# KiCad board Asfoora.kicad_pcb
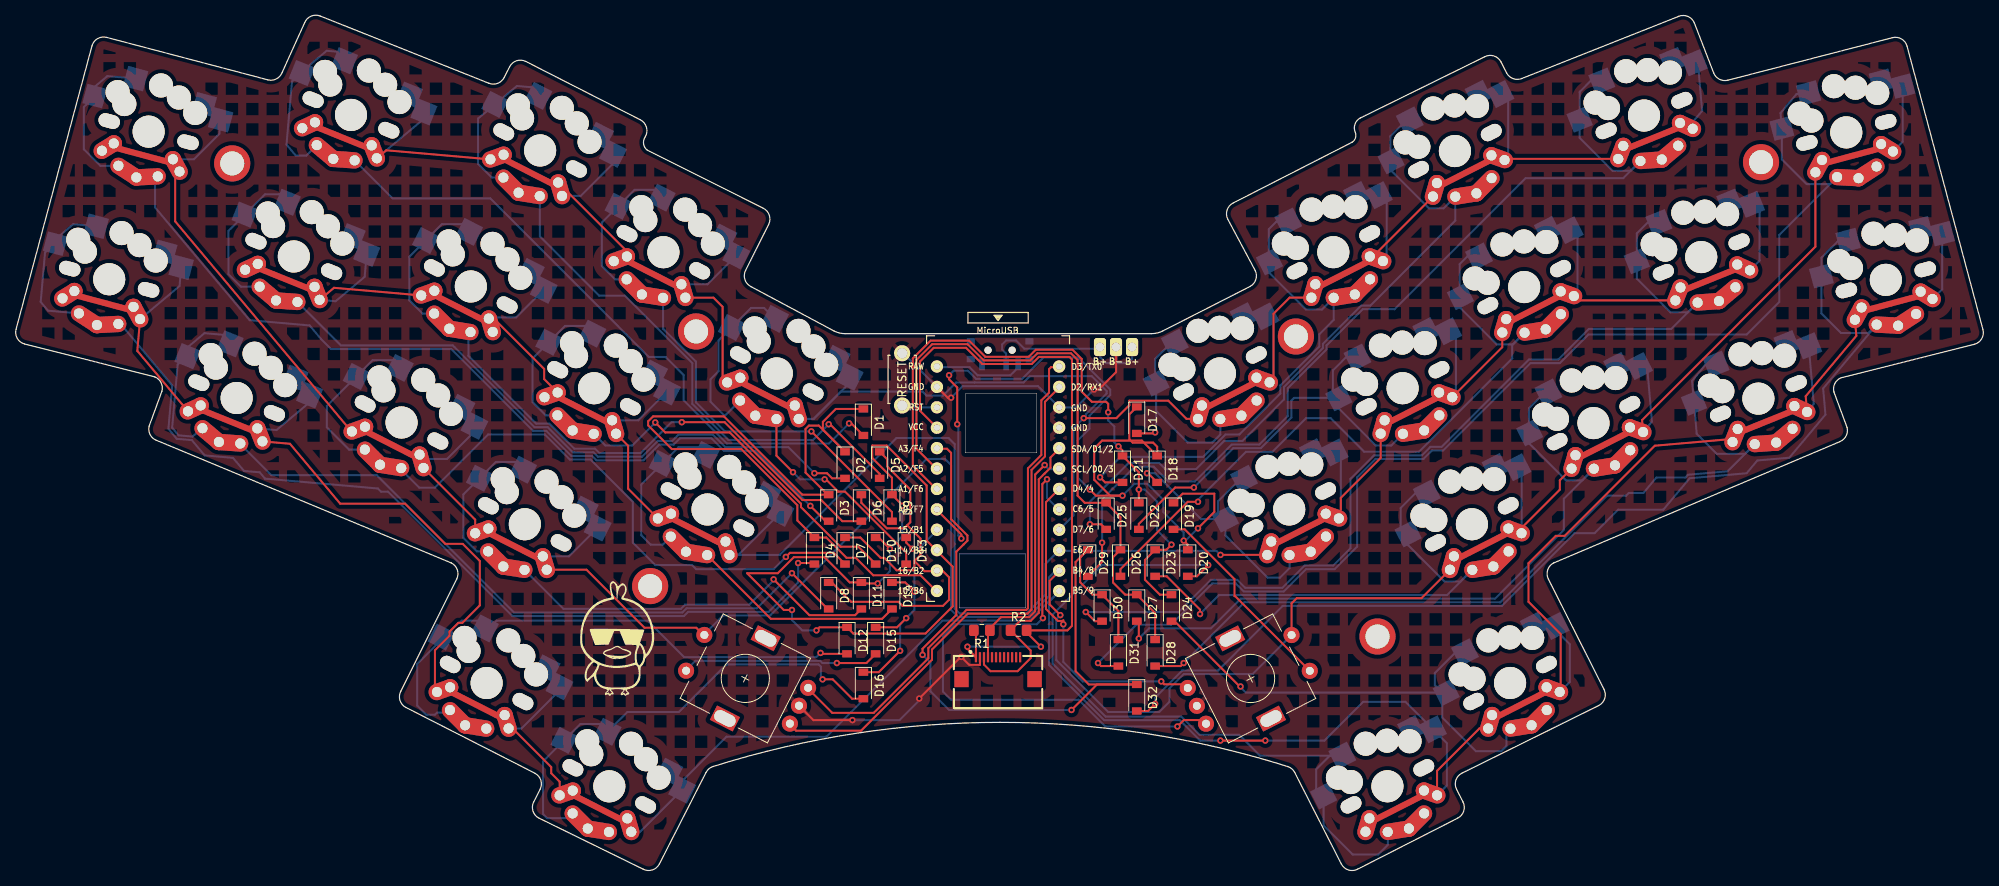
[diagram p0: board, top side]
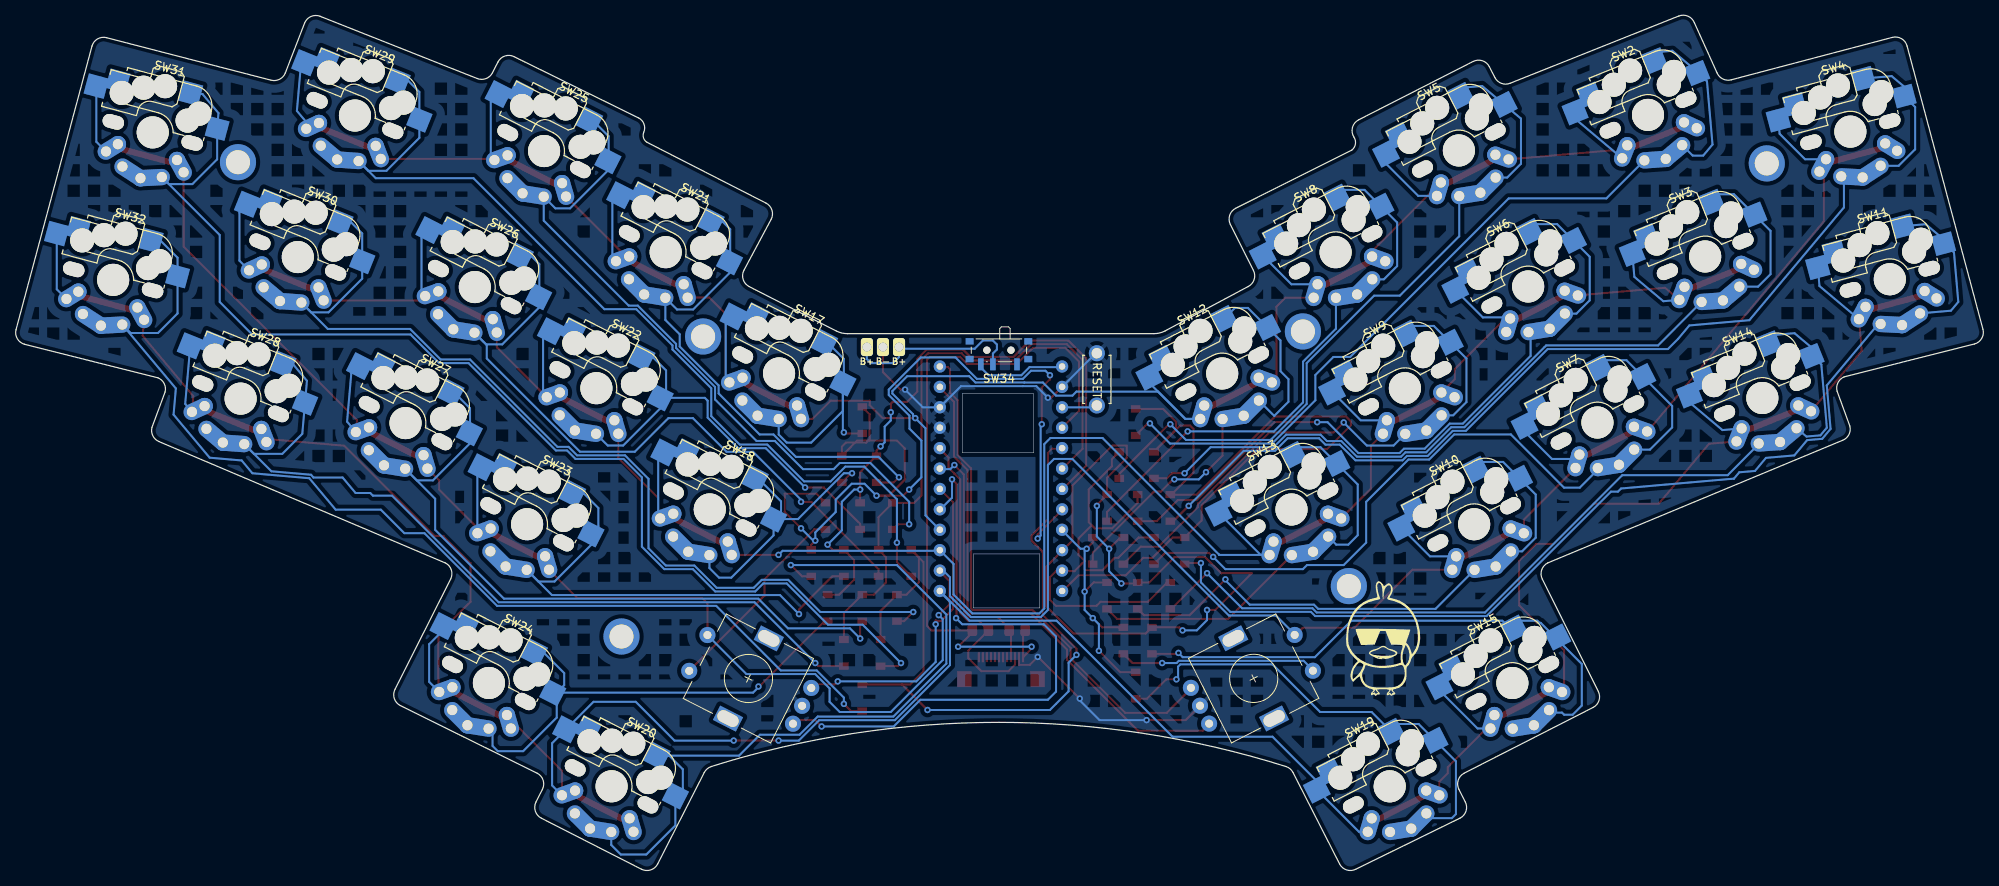
[diagram p1: board, bottom side, seen from below]

Outline 244.87 x 106.27 mm; copper layers: Top, Bottom. Coordinates in mm from the lower left corner of the outline.
Outline path: 0,67.29 9.45,102.55 arc(10.15,103.46) 11.28,103.61 31.33,98.33 arc(32.39,98.44) 33.11,99.22 35.92,105.44 arc(36.73,106.26) 37.88,106.27 58.86,97.91 arc(59.95,97.89) 60.76,98.62 61.45,99.96 arc(62.32,100.71) 63.46,100.62 77.72,93.35 arc(78.49,92.41) 78.31,91.2 arc(78.13,90.34) 78.58,89.58 93.03,82.35 arc(93.78,81.47) 93.69,80.33 90.82,74.62 arc(90.73,73.48) 91.48,72.6 101.84,67.07 arc(102.5,66.83) 103.2,66.74 141.38,66.74 arc(142.08,66.83) 142.74,67.07 153.6,72.6 arc(154.35,73.48) 154.26,74.62 150.86,80.98 arc(150.77,82.13) 151.51,83 166.35,90.58 arc(166.76,91.13) 166.72,91.81 arc(166.69,92.83) 167.36,93.59 182.85,101.21 arc(184,101.3) 184.87,100.56 185.56,99.21 arc(186.37,98.48) 187.46,98.5 206.99,106.23 arc(208.14,106.22) 208.94,105.4 211.35,99.18 arc(212.07,98.4) 213.13,98.29 233.58,103.58 arc(234.72,103.43) 235.42,102.51 244.87,67.26 arc(244.72,66.12) 243.81,65.42 227.21,61.25 arc(226.43,60.53) 226.32,59.47 227.94,55.09 arc(227.84,54.03) 227.06,53.31 191.42,38.21 arc(190.68,37.34) 190.77,36.19 197.69,22.48 arc(197.78,21.34) 197.03,20.46 180,12.04 arc(179.25,11.17) 179.34,10.02 180.13,8.46 arc(180.22,7.32) 179.48,6.45 167,0.09 arc(165.86,0) 164.99,0.75 159.19,12.12 arc(158.82,12.59) 158.3,12.87 arc(122.54,18.37) 86.78,12.87 arc(86.26,12.59) 85.89,12.12 80.09,0.75 arc(79.22,0) 78.07,0.09 65.1,6.45 arc(64.35,7.32) 64.44,8.46 65.24,10.02 arc(65.33,11.17) 64.58,12.04 48.55,20.21 arc(47.8,21.09) 47.89,22.23 54.85,36.18 arc(54.94,37.33) 54.19,38.2 17.46,53.47 arc(16.68,54.19) 16.57,55.25 18.16,59.59 arc(18.05,60.64) 17.27,61.36 1.06,65.46 arc(0.15,66.15) 0,67.29 ; 117.42,39.33 117.42,32.61 125.69,32.61 125.69,39.33 117.42,39.33 ; 118.19,59.28 127.08,59.28 127.08,51.91 118.19,51.91 118.19,59.28

## Placement (name value [footprint] x y rotation side)
D1  1N4148  [D_SOD-123]  105.49 55.72 270 top
D2  1N4148  [D_SOD-123]  103.2 50.39 270 top
D3  1N4148  [D_SOD-123]  101.17 45.05 270 top
D4  1N4148  [D_SOD-123]  99.39 39.72 270 top
D5  1N4148  [D_SOD-123]  107.52 50.39 270 top
D6  1N4148  [D_SOD-123]  105.23 45.05 270 top
D7  1N4148  [D_SOD-123]  103.2 39.72 270 top
D8  1N4148  [D_SOD-123]  101.17 34.13 270 top
D9  1N4148  [D_SOD-123]  109.04 45.05 270 top
D10  1N4148  [D_SOD-123]  107.01 39.72 270 top
D11  1N4148  [D_SOD-123]  105.23 34.13 270 top
D12  1N4148  [D_SOD-123]  103.45 28.54 270 top
D13  1N4148  [D_SOD-123]  110.82 39.72 270 top
D14  1N4148  [D_SOD-123]  109.04 34.13 270 top
D15  1N4148  [D_SOD-123]  107.01 28.54 270 top
D16  1N4148  [D_SOD-123]  105.49 22.96 270 top
D17  1N4148  [D_SOD-123]  139.52 55.98 270 top
D18  1N4148  [D_SOD-123]  142.06 49.88 270 top
D19  1N4148  [D_SOD-123]  144.09 44.04 270 top
D20  1N4148  [D_SOD-123]  145.87 38.2 270 top
D21  1N4148  [D_SOD-123]  137.74 49.88 270 top
D22  1N4148  [D_SOD-123]  139.78 44.04 270 top
D23  1N4148  [D_SOD-123]  141.81 38.2 270 top
D24  1N4148  [D_SOD-123]  143.84 32.61 270 top
D25  1N4148  [D_SOD-123]  135.71 44.04 270 top
D26  1N4148  [D_SOD-123]  137.49 38.2 270 top
D27  1N4148  [D_SOD-123]  139.52 32.61 270 top
D28  1N4148  [D_SOD-123]  141.81 27.02 270 top
D29  1N4148  [D_SOD-123]  133.43 38.2 270 top
D30  1N4148  [D_SOD-123]  135.2 32.61 270 top
D31  1N4148  [D_SOD-123]  137.24 27.02 270 top
D32  1N4148  [D_SOD-123]  139.52 21.43 270 top
G***  -  [LOGO]  74.75 27.49 0 top
G***#2  -  [LOGO]  74.75 27.49 180 bottom
J1  Conn_01x12_Female  [FPC-SMD_FPC05012-09200-.5mm-rev]  122.25 25.11 0 top
NOREF  MountingHole_3mm_M3_Pad_Via  [MountingHole_M3]  159.33 66.39 0 top
NOREF#2  -  [unnamed]  78.94 35.33 0 top
NOREF#3  MountingHole_3mm_M3_Pad_Via  [MountingHole_M3]  84.66 67.02 0 top
NOREF#4  -  [unnamed#2]  220.69 87.08 0 top
NOREF#5  -  [unnamed]  169.49 29.05 0 top
NOREF#6  -  [unnamed]  26.91 87.93 355 top
PAD1  -  [bat]  136.94 65.08 0 top
R1  4k7  [R_0805_2012Metric_Pad1.20x1.40mm_HandSolder]  120.23 29.81 180 top
R2  4k7  [R_0805_2012Metric_Pad1.20x1.40mm_HandSolder]  124.81 29.81 0 top
SW1  Rotary_Encoder_Switch  [RotaryEncoder_Alps_EC11E-Switch_Vertical_H20mm-keebio_modified]  90.79 23.84 153 top
SW2  SW_Push  [Kailh_hotswap_MX-CHOC]  41.69 93.96 338 top
SW3  SW_Push  [Kailh_hotswap_MX-CHOC]  34.58 76.35 338 top
SW4  SW_Push  [Kailh_hotswap_MX-CHOC]  16.5 91.88 345 top
SW5  SW_Push  [Kailh_hotswap_MX-CHOC]  65.24 89.54 333 top
SW6  SW_Push  [Kailh_hotswap_MX-CHOC]  56.61 72.61 333 top
SW7  SW_Push  [Kailh_hotswap_MX-CHOC]  47.99 55.68 333 top
SW8  SW_Push  [Kailh_hotswap_MX-CHOC]  80.59 76.88 333 top
SW9  SW_Push  [Kailh_hotswap_MX-CHOC]  71.96 59.95 333 top
SW10  SW_Push  [Kailh_hotswap_MX-CHOC]  63.34 43.02 333 top
SW11  SW_Push  [Kailh_hotswap_MX-CHOC]  11.59 73.51 345 top
SW12  SW_Push  [Kailh_hotswap_MX-CHOC]  94.7 61.79 333 top
SW13  SW_Push  [Kailh_hotswap_MX-CHOC]  86.08 44.86 333 top
SW14  SW_Push  [Kailh_hotswap_MX-CHOC]  27.46 58.73 338 top
SW15  SW_Push  [Kailh_hotswap_MX-CHOC]  58.58 23.26 333 top
SW16  Rotary_Encoder_Switch  [RotaryEncoder_Alps_EC11E-Switch_Vertical_H20mm-keebio_modified]  153.69 23.83 27 top
SW17  SW_Push  [Kailh_hotswap_MX-CHOC]  149.88 61.79 27 top
SW18  SW_Push  [Kailh_hotswap_MX-CHOC]  158.5 44.86 27 top
SW19  SW_Push  [Kailh_hotswap_MX-CHOC]  73.85 10.4 333 top
SW20  SW_Push  [Kailh_hotswap_MX-CHOC]  170.73 10.41 27 top
SW21  SW_Push  [Kailh_hotswap_MX-CHOC]  163.99 76.88 27 top
SW22  SW_Push  [Kailh_hotswap_MX-CHOC]  172.62 59.95 27 top
SW23  SW_Push  [Kailh_hotswap_MX-CHOC]  181.24 43.02 27 top
SW24  SW_Push  [Kailh_hotswap_MX-CHOC]  186 23.26 27 top
SW25  SW_Push  [Kailh_hotswap_MX-CHOC]  179.13 89.47 27 top
SW26  SW_Push  [Kailh_hotswap_MX-CHOC]  187.75 72.54 27 top
SW27  SW_Push  [Kailh_hotswap_MX-CHOC]  196.38 55.61 27 top
SW28  SW_Push  [Kailh_hotswap_MX-CHOC#2]  216.91 58.65 22 top
SW29  SW_Push  [Kailh_hotswap_MX-CHOC#2]  202.67 93.89 22 top
SW30  SW_Push  [Kailh_hotswap_MX-CHOC#2]  209.79 76.27 22 top
SW31  SW_Push  [Kailh_hotswap_MX-CHOC]  227.85 91.79 15 top
SW32  SW_Push  [Kailh_hotswap_MX-CHOC]  232.78 73.43 15 top
SW33  SW_Push  [ResetSW]  110.31 61.06 270 top
SW34  SW_SPDT  [SW_SPDT_PCM12]  122.5 64.36 0 bottom
U1  ProMicro_r  [ProMicro_v3.5]  122.25 48.18 0 top

## Library data of the parts
D1-D32 = -: LCSC: C909967
J1 = -: LCSC: C479750
R1 R2 = -: LCSC: C269746

## Footprints (pads in the part's own frame, mm; a bottom-side part is the same pattern mirrored in y, then rotated)
bat
  rrect 1.5x2.25 hole 1.092: 1(2,0) 2(0,0) 3(-2,0)
D_SOD-123
  rect 0.9x1.2 smd: 1(-1.65,0) 2(1.65,0)
FPC-SMD_FPC05012-09200-.5mm-rev
  rect 0.28x1.25 smd: 1(-2.75,1.362) 2(-2.25,1.362) 3(-1.75,1.362) 4(-1.25,1.362) 5(-0.75,1.362) 6(-0.25,1.362) 7(0.25,1.362) 8(0.75,1.362) 9(1.25,1.362) 10(1.75,1.362) 11(2.25,1.362) 12(2.75,1.362)
  rect 1.8x2 smd: 13(4.55,-1.362) 14(-4.55,-1.362)
Kailh_hotswap_MX-CHOC
  oval 2.702x1.702 hole 2.702x1.702 unplated: (-5.08,0.004) (5.08,0)
  round 3 hole 3 unplated: (-4.998,3.753) (-3.81,2.54) (0.002,5.953) (2.54,5.08) (5,3.75)
  round 3.988 hole 3.988 unplated: (0.002,0.003)
  oval 2.032x3.8 hole 1.27 rot 136.5: 1(-4.998,-3.797)
  round 2.032 hole 1.27: 1(-3.808,-2.537) 1(3.812,-2.537) 2(0.002,-5.897)
  rrect 7.62x0.759 smd: 1(-1.011,-3.389)
  oval 2.032x3.8 hole 1.27 rot 43.5: 1(5.002,-3.797)
  rect 2.55x2.5 smd far side: 1(5.844,5.083) 2(-7.62,2.54)
  rect 2.6x2.6 smd far side: 1(8.275,3.75) 2(-3.273,5.953)
  oval 2.032x4.7 hole 1.27 rot 72.1: 2(-2.538,-5.077)
  oval 2.032x4.7 hole 1.27 rot 107.9: 2(2.542,-5.077)
Kailh_hotswap_MX-CHOC#2
  oval 2.702x1.702 hole 2.702x1.702 unplated: (-5.08,0.004) (5.08,0)
  round 3 hole 3 unplated: (-4.998,3.753) (-3.81,2.54) (0.002,5.953) (2.54,5.08) (5,3.75)
  round 3.988 hole 3.988 unplated: (0.002,0.003)
  oval 2.032x3.8 hole 1.27 rot 136.5: 1(-4.998,-3.797)
  round 2.032 hole 1.27: 1(-3.808,-2.537) 1(3.812,-2.537) 2(0.002,-5.897)
  rrect 7.62x0.759 smd: 1(-1.011,-3.389)
  oval 2.032x3.8 hole 1.27 rot 43.5: 1(5.002,-3.797)
  rect 2.55x2.5 smd far side: 1(5.844,5.083) 2(-7.62,2.54)
  rect 2.6x2.6 smd far side: 1(8.275,3.75) 2(-3.273,5.953)
  oval 2.032x4.7 hole 1.27 rot 72.1: 2(-2.538,-5.077)
  oval 2.032x4.7 hole 1.27 rot 107.9: 2(2.542,-5.077)
MountingHole_M3
  round 4.5 hole 3: 1(0,0)
ProMicro_v3.5
  round 1.524 hole 0.813: 1(7.611,14.478) 2(7.611,11.938) 3(7.611,9.398) 4(7.611,6.858) 5(7.611,4.318) 6(7.611,1.778) 7(7.611,-0.762) 8(7.611,-3.302) 9(7.611,-5.842) 10(7.611,-8.382) 11(7.611,-10.922) 12(7.611,-13.462) 13(-7.609,-13.462) 14(-7.609,-10.922) 15(-7.609,-8.382) 16(-7.609,-5.842) 17(-7.609,-3.302) 18(-7.609,-0.762) 19(-7.609,1.778) 20(-7.609,4.318) 21(-7.609,6.858) 22(-7.609,9.398) 23(-7.609,11.938) 24(-7.609,14.478)
R_0805_2012Metric_Pad1.20x1.40mm_HandSolder
  rrect 1.2x1.4 smd: 1(-1,0) 2(1,0)
ResetSW
  round 2 hole 1.3: 1(3.25,0) 2(-3.25,0)
RotaryEncoder_Alps_EC11E-Switch_Vertical_H20mm-keebio_modified
  round 2 hole 1: A(-7.5,2.5) B(-7.5,-2.5) C(-7.5,0) S1(7,-2.5) S2(7,2.5)
  rect 3.2x2 hole 2.8x1.5: MP(0,5.6) MP(0,-5.6)
SW_SPDT_PCM12
  rect 1x0.8 smd: (-3.65,-1.43) (-3.65,0.78) (3.65,-1.43) (3.65,0.78)
  round 0.9 hole 0.9 unplated: (-1.5,-0.33) (1.5,-0.33)
  rect 0.7x1.5 smd: 1(-2.25,1.43) 2(0.75,1.43) 3(2.25,1.43)
unnamed
  round 4.5 hole 3: 1(0,0)
unnamed#2
  round 4.5 hole 3: 1(-3.451,1.005)

## Nets
gnd: J1.2 PAD1.2 SW1.C SW16.C SW33.2 U1.3 U1.4 U1.23
vcc: J1.1 R1.2 R2.2 U1.21
bat+: PAD1.1 PAD1.3 SW34.2
col_0: D1.1 D2.1 D3.1 D4.1 U1.13
col_1: D5.1 D6.1 D7.1 D8.1 U1.14
col_2: D9.1 D10.1 D11.1 D12.1 U1.15
col_3: D13.1 D14.1 D15.1 D16.1 U1.16
col_4: D17.1 D18.1 D19.1 D20.1 U1.17
col_5: D21.1 D22.1 D23.1 D24.1 U1.18
col_6: D25.1 D26.1 D27.1 D28.1 U1.19
col_7: D29.1 D30.1 D31.1 D32.1 U1.20
EncL1: SW1.A U1.2
EncL2: SW16.A U1.7
EncR1: SW1.B U1.1
EncR2: SW16.B U1.8
raw: SW34.3 U1.24
reset: SW33.1 U1.22
row_0: SW2.1 SW5.1 SW8.1 SW12.1 SW17.1 SW21.1 SW25.1 SW29.1 U1.9
row_1: SW3.1 SW6.1 SW9.1 SW13.1 SW18.1 SW22.1 SW26.1 SW30.1 U1.10
row_2: SW1.S1 SW4.1 SW7.1 SW10.1 SW16.S2 SW23.1 SW27.1 SW31.1 U1.11
row_3: SW11.1 SW14.1 SW15.1 SW19.1 SW20.1 SW24.1 SW28.1 SW32.1 U1.12
scl: J1.4 R1.1 U1.6
sda: J1.3 R2.1 U1.5
Net-(D1-Pad2): D1.2 SW2.2
Net-(D2-Pad2): D2.2 SW3.2
Net-(D3-Pad2): D3.2 SW4.2
Net-(D4-Pad2): D4.2 SW11.2
Net-(D5-Pad2): D5.2 SW5.2
Net-(D6-Pad2): D6.2 SW6.2
Net-(D7-Pad2): D7.2 SW7.2
Net-(D8-Pad2): D8.2 SW14.2
Net-(D9-Pad2): D9.2 SW8.2
Net-(D10-Pad2): D10.2 SW9.2
Net-(D11-Pad2): D11.2 SW10.2
Net-(D12-Pad2): D12.2 SW15.2
Net-(D13-Pad2): D13.2 SW12.2
Net-(D14-Pad2): D14.2 SW13.2
Net-(D15-Pad2): D15.2 SW1.S2
Net-(D16-Pad2): D16.2 SW19.2
Net-(D17-Pad2): D17.2 SW17.2
Net-(D18-Pad2): D18.2 SW18.2
Net-(D19-Pad2): D19.2 SW16.S1
Net-(D20-Pad2): D20.2 SW20.2
Net-(D21-Pad2): D21.2 SW21.2
Net-(D22-Pad2): D22.2 SW22.2
Net-(D23-Pad2): D23.2 SW23.2
Net-(D24-Pad2): D24.2 SW24.2
Net-(D25-Pad2): D25.2 SW25.2
Net-(D26-Pad2): D26.2 SW26.2
Net-(D27-Pad2): D27.2 SW27.2
Net-(D28-Pad2): D28.2 SW28.2
Net-(D29-Pad2): D29.2 SW29.2
Net-(D30-Pad2): D30.2 SW30.2
Net-(D31-Pad2): D31.2 SW31.2
Net-(D32-Pad2): D32.2 SW32.2

Pads without a net: J1 5 6 7 8 9 10 11 12 13 14; NOREF 1; NOREF#2 1; NOREF#3 1; NOREF#4 1; NOREF#5 1; NOREF#6 1; SW1 MP; SW16 MP; SW34 1

## Via types
v1: diameter 0.8, hole 0.4, Top to Bottom, 71 vias

## Routing (per net, layer and track width the routed paths; a pad name or vN(x,y) marks a point on that pad's centre or on a via; arc(x,y) is an arc through that point)
gnd: length 63
  Top w0.25: v1(134.19,59.79) 134.78,59.79 136.95,61.96 136.95,64.61 ; v1(116.41,58.77) 115.99,58.77 U1.23 ; v1(104.12,18.65) 99.26,18.65 SW1.C ; v1(112.44,21.33) 117.62,26.51 v1(117.68,26.51) 118.67,25.52 119.97,25.52 120,25.55 J1.2
  Bottom w0.25: v1(116.41,58.77) 117.85,60.21 119.52,60.21 119.52,60.22 127.22,60.22 U1.3 ; 130,57.58 131.98,57.58 v1(134.19,59.79) ; v1(112.44,21.33) 112.44,21.1 109.98,18.65 v1(104.12,18.65) ; SW33.2 110.45,64.31 U1.23
vcc: length 87.9
  Top w0.25: 122.38,62.96 126.44,62.96 127.33,63.85 131.14,63.85 131.45,63.54 131.45,30.38 130.89,29.81 R2.2 125.81,29.56 v1(127.58,27.78) ; R1.2 119.5,29.55 J1.1 118.44,27.53 v1(118.44,27.78) ; 124.03,62.96 120.29,62.96 118.27,64.98 114.24,64.98 112.54,63.28 112.54,57.14 U1.21
  Bottom w0.25: v1(127.58,27.78) v1(118.44,27.78)
bat+: length 23.5
  Bottom w0.25: 134.95,65.37 134.95,63.82 135.69,63.08 138.44,63.08 138.95,63.59 138.95,65.37 ; SW34.2 123.25,64.27 122.76,64.77 122.76,65.4 123.25,65.89 124.5,65.89 125.53,64.87 134.7,64.87 134.95,64.61
col_0: length 99.4
  Top w0.25: D1.1 102.05,57.37 100.44,55.77 100.44,54.79 D2.1 99.93,55.3 98.71,55.3 98.28,54.88 98.28,49.45 101.03,46.7 D3.1 97.87,46.7 88.13,56.45 79.31,56.45 78.69,55.83 78.69,55.33 81.64,52.38 90.28,52.38 97.27,45.4 97.27,43.49 D4.1 100.87,41.37 103.39,38.84 104.54,38.84 106.71,36.67 112.6,36.67 114.63,34.64
col_1: length 60.4
  Top w0.25: D8.1 101.55,35.78 103.96,33.37 109.85,33.37 110.36,32.86 115.39,32.86 116.15,33.62 116.15,36.42 115.39,37.18 113.11,37.18 111.84,38.45 ; 111.84,38.45 112.6,39.21 112.6,41.24 110.95,42.89 ; 111.84,38.45 111.84,37.39 111.75,37.3 109.63,37.3 108.08,38.84 107.63,38.84 105.11,41.37 D7.1 ; 110.95,42.89 110.57,42.51 108.41,42.51 105.23,45.69 D6.1 ; 110.95,42.89 111.33,43.28 111.33,47.34 108.44,50.23 108.44,51.11 D5.1
col_2: length 97.1
  Top w0.25: v1(108.79,39.97) 107.39,41.37 D10.1 ; v1(96.6,32.35) 95.58,32.35 91.01,36.93 94.83,36.93 96.82,38.92 100.65,38.92 103.79,35.78 D11.1 105.36,35.66 v1(107.26,35.66) ; v1(99.64,29.81) 100.02,30.19 D12.1 104.23,29.42 113.22,29.42 116.6,32.8 116.6,37.75 113.36,40.99 113.36,47.85 108.4,52.81 106.59,52.81 106.59,51.26 109.04,48.81 D9.1 110.31,45.43 v1(110.31,45.31)
  Bottom w0.25: v1(110.31,45.31) 110.31,41.5 v1(108.79,39.97) 108.79,37.18 v1(107.26,35.66) ; v1(99.64,29.81) 97.88,29.81 96.6,31.09 v1(96.6,32.35)
col_3: length 32.5
  Top w0.25: D14.1 110.69,35.78 v1(111.84,34.64) ; D15.1 109.68,30.19 v1(110.82,31.34) ; D16.1 107.39,24.61 v1(110.06,27.27) ; D13.1 110.82,40.74 v1(111.58,39.97)
  Bottom w0.25: 114.63,42.26 112.34,39.97 v1(111.58,39.97) 111.84,39.72 v1(111.84,34.64) 111.84,32.35 v1(110.82,31.34) 110.06,30.58 v1(110.06,27.27)
col_4: length 122.2
  Top w0.25: 114.63,44.8 117.68,41.75 v1(117.68,41.24) ; D20.1 145.87,40.48 v1(145.36,40.99) ; v1(116.15,61.56) 116.15,61.06 117.17,60.04 v1(117.17,55.47) ; D19.1 145.24,46.83 149.17,46.83 149.17,44.55 v1(147.14,42.51) ; v1(133.68,47.34) 134.44,46.58 v1(137.74,46.58) 136.21,46.58 134.23,48.56 134.23,52.46 135.2,53.44 140.16,53.44 D18.1 142.06,52.67 141.55,53.18 139.01,53.18 138.6,53.6 138.6,56.7 D17.1
  Bottom w0.25: v1(137.74,46.58) 139.23,48.06 140.83,48.06 142.82,46.07 142.82,44.55 145.36,42.01 v1(145.36,40.99) 145.62,40.99 v1(147.14,42.51) ; v1(133.68,47.34) 132.16,48.86 132.16,53.44 133.64,54.92 133.64,56.53 136.22,59.11 136.22,59.79 132.23,63.78 127.91,63.78 125.24,61.11 119.52,61.11 118.51,62.13 116.72,62.13 v1(116.15,61.56) ; v1(117.17,55.47) 117.31,55.33 117.31,41.61 v1(117.68,41.24)
col_5: length 82.7
  Top w0.25: 114.63,47.34 111.64,50.33 111.64,63.65 113.87,65.88 118.64,65.88 120.66,63.86 126.07,63.86 126.96,64.75 131.51,64.75 132.66,63.6 132.66,59.53 133.93,58.26 135.71,58.26 135.97,58.01 v1(135.97,56.95) ; v1(143.84,40.48) 143.2,39.85 D23.1 140.54,38.58 140.54,36.12 142.4,34.26 D24.1 ; v1(137.24,52.71) 137.74,52.2 D21.1 139.78,49.5 v1(139.78,47.34) D22.1
  Bottom w0.25: v1(137.24,52.71) 136.73,53.22 136.73,55.18 135.97,55.94 v1(135.97,56.95) ; v1(143.84,40.48) 142.06,42.26 142.06,45.82 140.54,47.34 v1(139.78,47.34)
col_6: length 79
  Top w0.25: 114.63,49.88 112.09,52.42 112.09,63.47 114.05,65.43 118.46,65.43 120.48,63.41 126.26,63.41 127.14,64.3 131.33,64.3 132.16,63.47 132.16,46.58 133.05,45.69 D25.1 137.49,43.91 D26.1 136.57,38.92 136.57,35.77 138.08,34.26 D27.1 141.81,31.97 D28.1
col_7: length 101.5
  Top w0.25: 114.63,52.42 115.9,52.42 116.41,51.91 116.41,43.66 118.44,41.63 118.44,40.98 117.98,40.52 117.97,40.52 117.05,39.6 117.05,31.73 112.85,27.53 v1(112.85,26.77) ; v1(131.39,19.91) 134.57,23.08 D32.1 133.55,23.08 131.9,24.73 131.9,38.32 D29.1 132.47,38.89 132.47,35.8 134.02,34.26 D30.1 137.24,32.23 D31.1
  Bottom w0.25: v1(112.85,26.77) 113.83,25.79 113.83,22.23 116.15,19.91 v1(131.39,19.91)
EncL1: length 66.6
  Top w0.25: 96.24,18.2 97.11,17.33 105.19,17.33 114.03,26.16 114.03,27.43 118.5,31.9 125.95,31.9 126.42,32.37 126.42,49.79 128.09,51.46 128.09,58.26 129.87,60.04
EncL2: length 40.4
  Top w0.25: v1(130.38,30.58) 130.38,31.07 130.3,30.99 129.7,30.99 128.22,32.47 128.22,45.78 U1.7 ; SW16.A 145.42,23.11 142.93,23.11 v1(142.57,23.46)
  Bottom w0.25: v1(130.38,30.58) 130.38,25.88 132.79,23.46 v1(142.57,23.46)
EncR1: length 67.1
  Top w0.25: 98.51,22.65 101.61,19.55 106.78,19.55 113.58,26.35 113.58,27.62 118.31,32.35 125.77,32.35 125.97,32.56 125.97,49.97 127.64,51.64 127.64,58.45 128.6,59.41 128.6,62.33 128.85,62.58 129.87,62.58
EncR2: length 77.3
  Top w0.25: v1(144.58,17.85) 145.38,18.65 147.69,18.65 SW16.B ; v1(127.84,31.34) 127.77,31.41 127.77,48.03 v1(128.35,48.61)
  Bottom w0.25: v1(128.35,48.61) 128.35,46.32 129.87,44.8 ; v1(144.58,17.85) 135.61,17.85 132.28,21.18 116.41,21.18 115.39,22.19 115.39,29.05 116.92,30.58 127.08,30.58 v1(127.84,31.34)
raw: length 11.3
  Bottom w0.25: 114.63,62.58 118.69,62.58 119.71,61.56 123.79,61.56 124.75,62.53 SW34.3
reset: length 4.4
  Bottom w0.25: SW33.1 110.54,57.58 U1.22
row_0: length 231.3
  Top w0.25: SW25.1 168.94,76.35 SW21.1 ; SW25.1 185.45,88.49 SW29.1 ; SW17.1 145.71,56.14 143.45,58.4 138.6,58.4 138.6,57.85 136.98,56.23 v1(132.92,56.23) ; SW8.1 86.82,71.22 87.96,70.08 87.96,61.24 SW12.1 ; SW5.1 76.04,76.99 SW8.1 ; SW17.1 156.54,61.16 156.54,69.22 158.55,71.23 SW21.1 ; 60.56,88.3 46.09,89.56 SW2.1
  Bottom w0.25: SW2.1 50.69,93.42 SW2.1 ; SW5.1 74.2,87.79 70.3,83.89 SW5.1 ; SW8.1 86.09,72.89 SW8.1 ; SW29.1 209.41,100.07 209.9,94.47 208.67,93 SW29.1 ; SW25.1 185.77,95.6 185.77,88.81 SW25.1 ; SW21.1 170.63,83.01 170.63,76.22 SW21.1 ; U1.9 131.65,44.12 131.65,54.96 v1(132.92,56.23) 133.19,56.5 133.19,56.72 135.77,59.29 135.77,59.6 133.92,61.45 126.21,61.45 125.43,60.66 119.34,60.66 119.34,60.66 117.03,60.66 115.4,59.03 113.35,59.03 112.85,59.53 102.69,59.53 99.29,56.13 SW12.1 97.45,56.13 99.29,56.13 103.78,60.62 SW12.1 ; SW17.1 156.51,61.13 156.51,67.92 SW17.1 ; 183.31,96.43 183.49,96.28
row_1: length 245.4
  Top w0.25: SW30.1 194.48,70.88 SW26.1 ; SW3.1 39.58,72.45 51.93,71.37 ; 57.83,68.76 59.33,68.76 65.75,62.35 65.75,61.09 SW9.1 ; SW9.1 76.19,52.79 76.19,47.45 SW13.1 ; SW18.1 v1(149.94,39.21) ; SW22.1 185.03,65.07 185.03,67.04 ; 164.92,44.8 164.92,46.31 169.89,51.28 SW22.1
  Bottom w0.25: SW6.1 59,68.76 62.25,68.76 SW6.1 ; SW9.1 77.46,55.96 SW9.1 ; v1(149.94,39.21) 149.43,39.72 129.94,39.72 U1.10 128.15,38.09 128.15,34.28 125.8,31.92 117.47,31.92 116.86,32.54 116.86,52.99 116.09,53.76 109.61,53.76 95.11,39.26 95.11,39.2 SW13.1 89.91,39.2 SW13.1 ; SW26.1 194.39,71.88 194.39,78.67 SW26.1 ; SW3.1 43.4,73.81 39.78,70.78 SW3.1 ; SW22.1 179.25,59.3 179.25,66.08 SW22.1 ; SW30.1 217.06,81.85 217.06,75.83 SW30.1 ; SW18.1 164.92,43.99 164.92,50.9
row_2: length 329.5
  Top w0.25: 193.87,50.17 192.19,48.5 192.19,47.33 187.54,42.67 187.54,42.02 SW23.1 ; SW7.1 41.74,54.58 19.81,80.72 19.81,86.38 SW4.1 ; 85.59,29.23 84.68,30.14 78.24,30.14 71.01,37.37 SW10.1 ; v1(130,31.71) 128.67,33.05 128.67,35.98 129.87,37.18 ; SW10.1 57.16,43.59 SW7.1 ; SW16.S2 158.79,33.18 159.44,33.83 174.97,33.83 SW23.1 ; SW27.1 202.43,55.99 224.01,77.57 SW31.1
  Bottom w0.25: SW31.1 234.87,90.63 SW31.1 ; v1(130,31.71) 129.5,31.21 129.5,26.12 135.97,19.65 142.32,19.65 143.59,20.92 143.59,22.59 145.38,24.38 153.94,24.38 SW16.S2 ; SW23.1 187.44,41.93 187.44,49.59 SW23.1 ; 58.08,55.57 53.65,51.15 50.71,51.15 ; SW27.1 203.66,55.8 203.13,61.8 SW27.1 ; SW4.1 25.31,91.62 22.14,88.45 SW4.1 ; SW10.1 68.84,39.03 SW10.1 ; 129.87,37.18 129.36,37.18 128.6,36.42 128.6,34.09 125.98,31.47 117.29,31.47 116.41,32.35 116.41,50.39 115.65,51.15 113.36,51.15 93.88,31.67 88.02,31.67 85.59,29.23
row_3: length 345
  Top w0.25: 191.68,22.15 192.29,22.76 192.29,29.37 188.29,33.37 188.29,38.18 191.69,41.58 192.8,41.58 204.01,52.8 213.29,53.61 SW28.1 ; SW20.1 176.91,12.33 182.18,17.61 182.77,17.61 ; SW14.1 15.1,64.6 SW11.1 ; SW19.1 67.68,10.98 66.62,12.03 66.62,12.8 61.81,17.61 ; SW14.1 34.1,53.04 40.35,45.59 48.43,45.59 53.44,40.58 55.61,40.58 57.73,38.45 57.73,32.93 55.55,30.75 55.05,30.75 53.96,29.65 53.96,29.15 52.15,27.34 52.15,22.9 52.9,22.15 ; SW28.1 222.8,58.96 229.11,66.47 SW32.1 ; v1(155.52,16.1) v1(149.94,16.1)
  Bottom w0.25: SW19.1 77.69,4.75 SW19.1 82.93,11.07 88.44,16.58 100.81,16.58 100.9,16.59 115.33,31.03 126.17,31.03 U1.12 ; SW28.1 223.81,58.01 SW28.1 ; 61.81,17.61 62.92,17.61 68.16,22.85 ; 129.87,34.64 128.6,33.37 128.6,25.5 135.46,18.64 144.88,18.64 147.42,16.1 v1(149.94,16.1) ; 191.17,30.36 193.44,28.09 193.44,23.41 SW24.1 ; SW14.1 36.45,58.12 32.42,54.74 SW14.1 ; SW20.1 178.13,10.52 178.13,15.77 SW20.1 172.98,20.92 167.72,20.92 162.89,16.1 v1(155.52,16.1) ; SW32.1 239.8,72.27 SW32.1 ; SW11.1 20.35,72.67 SW11.1
scl: length 30.9
  Top w0.25: v1(128.05,50.39) 126.87,49.21 126.87,32.19 126.14,31.45 122.62,31.45 121.23,30.07 R1.1 121,29.58 J1.4
  Bottom w0.25: v1(128.05,50.39) 128.56,49.88 129.87,49.88
sda: length 38.1
  Top w0.25: J1.3 120.5,25.55 121.32,24.73 124.68,24.73 126.31,26.37 126.31,27.31 R2.1 125,31.01 126.32,31.01 127.32,32 127.32,48.61 128.05,49.33 128.06,49.33 128.78,50.05 128.78,51.32 129.87,52.42
Net-(D1-Pad2): length 108.4
  Top w0.25: v1(103.71,55.57) 103.98,55.57 D1.2
  Bottom w0.25: v1(103.71,55.57) 101.2,53.06 88.5,53.06 83.11,58.45 83.11,61.6 80.86,63.84 78.77,63.84 59.04,83.58 46.88,83.58 SW2.2 42.1,88.27 SW2.2 38.83,88.55 SW2.2 36.14,88.9 34.82,88.9 33.67,90.28 34.36,98.15 SW2.2 35.6,99.37 38.67,101.95 39.94,101.84 SW2.2
Net-(D2-Pad2): length 104.6
  Top w0.25: v1(99.39,49.37) 100.96,49.37 101.6,48.74 D2.2
  Bottom w0.25: SW3.2 32.77,84.09 31,84.09 SW3.2 26.44,79.53 26.44,74.15 28,72.59 SW3.2 31.71,70.94 SW3.2 34.99,70.65 SW3.2 40.44,65.28 54.38,65.28 54.58,65.08 64.56,55.1 66.19,55.1 69.31,51.98 71.89,51.98 72.44,51.43 77.93,51.43 79.88,53.38 81.67,53.38 82.46,54.17 86.75,54.17 88.31,52.62 96.15,52.62 v1(99.39,49.37)
Net-(D3-Pad2): length 125.9
  Top w0.25: D3.2 100.79,43.4 v1(98.88,45.31)
  Bottom w0.25: SW4.2 17.31,85.98 17.31,82.45 29.08,68.42 36.55,67.76 37.95,66.09 39.21,64.83 54.19,64.83 64.37,54.65 66.01,54.65 69.13,51.53 71.71,51.53 72.26,50.98 78.12,50.98 80.07,52.93 81.86,52.93 82.65,53.72 86.57,53.72 88.12,52.17 92.02,52.17 v1(98.88,45.31) ; SW4.2 14.87,98.49 11.37,98.8 9.91,97.57 SW4.2 8.44,94.95 8.44,89.69 10.49,87.64 SW4.2
Net-(D4-Pad2): length 129
  Top w0.25: D4.2 99.26,38.2 v1(97.36,38.2)
  Bottom w0.25: SW11.2 3.98,69.6 3.07,70.69 3.61,76.86 SW11.2 4.94,78.53 7.13,80.37 9.96,80.12 SW11.2 ; v1(97.36,38.2) 97.36,35.78 93.69,32.11 83.66,32.11 83.13,31.59 61.8,31.59 46.31,47.08 45.44,47.08 45.05,47.47 31,48.7 30.34,49.49 28.37,49.66 27.01,51.28 23.48,51.59 21.88,53.49 20.01,53.66 18.97,54.89 19.44,60.3 13.05,67.92 SW11.2
Net-(D5-Pad2): length 83.7
  Top w0.25: D5.2 107.52,49.28 101.33,55.47 v1(101.17,55.47)
  Bottom w0.25: SW5.2 65.2,78.86 72.59,71.47 75.8,71.47 84.19,63.08 84.19,58.01 88.68,53.51 99.22,53.51 v1(101.17,55.47) ; SW5.2 64.12,97.41 62.35,97.57 57.51,93.51 57.51,87.89 59.23,86.17 SW5.2
Net-(D6-Pad2): length 83.3
  Top w0.25: v1(82.88,55.72) 88.21,55.72 97.9,46.03 100.24,46.03 102.87,43.4 D6.2
  Bottom w0.25: SW6.2 55.43,80.37 53.01,80.37 SW6.2 48.96,76.31 48.96,70.89 50.6,69.24 SW6.2 ; v1(82.88,55.72) 81.59,55.72 77.75,51.88 72.63,51.88 72.08,52.43 69.5,52.43 66.38,55.55 64.74,55.55 56.32,63.97 56.32,66.2 55.07,67.45
Net-(D7-Pad2): length 96.2
  Top w0.25: D7.2 101.8,39.47 96.34,39.47 v1(95.83,38.96)
  Bottom w0.25: SW7.2 46.81,63.44 44.39,63.44 SW7.2 38.69,57.75 38.69,55.08 41.46,52.31 SW7.2 ; 43.58,52.79 45.48,50.88 46.89,50.88 50.19,47.58 52.15,47.58 58.77,54.2 65.82,54.2 68.94,51.08 71.52,51.08 76.78,45.82 76.78,40.74 79.58,37.94 84.15,37.94 84.66,37.43 94.31,37.43 v1(95.83,38.96)
Net-(D8-Pad2): length 112.9
  Top w0.25: D8.2 101.04,32.48 v1(96.59,36.93)
  Bottom w0.25: SW14.2 25.71,66.6 23.46,66.8 21.45,65.12 SW14.2 20.12,62.91 19.43,55.04 20.23,54.09 21.97,53.94 SW14.2 24.59,53.32 SW14.2 27.87,53.03 31.77,49.13 44.9,49.13 61.98,32.04 82.95,32.04 83.47,32.56 92.23,32.56 v1(96.59,36.93)
Net-(D9-Pad2): length 64.6
  Top w0.25: D9.2 109.04,44.55 v1(99.01,54.58)
  Bottom w0.25: SW8.2 80.55,67.36 84.64,63.26 84.64,58.19 88.25,54.58 v1(99.01,54.58) ; SW8.2 79.41,84.63 76.98,84.63 SW8.2 72.93,80.58 72.93,75.15 74.58,73.51 SW8.2
Net-(D10-Pad2): length 63.2
  Top w0.25: D10.2 104.85,40.23 102.64,40.23 97.72,45.15 97.72,45.58 88.85,54.45 80.82,54.45 v1(79.58,55.69)
  Bottom w0.25: SW9.2 65.95,56.58 64.3,58.22 64.3,63.65 SW9.2 68.36,67.71 70.78,67.71 SW9.2 ; v1(79.58,55.69) 76.71,52.82 73.37,52.82 SW9.2
Net-(D11-Pad2): length 66.4
  Top w0.25: v1(94.31,36.16) 98.77,31.71 104.46,31.71 D11.2
  Bottom w0.25: v1(94.31,36.16) 94.31,36.05 91.28,33.01 83.28,33.01 82.76,32.49 68.15,32.49 SW10.2 ; SW10.2 62.16,50.78 59.73,50.78 SW10.2 55.68,46.72 55.68,41.34 57.37,39.65 SW10.2
Net-(D12-Pad2): length 74.1
  Top w0.25: v1(100.15,27.01) 100.27,26.89 D12.2
  Bottom w0.25: SW15.2 58.12,18.01 SW15.2 55.9,18.01 SW15.2 53.7,19.58 52.4,19.58 52.14,19.31 51.08,19.31 49.94,20.46 49.94,25.63 55.05,30.75 55.21,30.75 55.48,31.02 57.9,31.02 58.87,30.05 59.83,31.02 78.63,31.02 83.17,26.48 99.62,26.48 v1(100.15,27.01)
Net-(D13-Pad2): length 55.1
  Top w0.25: SW12.2 94.66,51.56 v1(96.72,49.5) ; v1(100.66,48.61) 100.82,48.61 102.35,47.09 103.2,47.09 110.82,39.47 D13.2
  Bottom w0.25: v1(96.72,49.5) 97.61,48.61 v1(100.66,48.61) ; SW12.2 93.12,69.95 91.5,69.95 SW12.2 87.45,65.9 87.45,62.07 86.46,61.08 86.46,58.27 88.22,56.5 SW12.2 90.14,58.42 SW12.2 92.45,56.11 SW12.2
Net-(D14-Pad2): length 48.6
  Top w0.25: SW13.2 93.96,31.26 107.82,31.26 D14.2
  Bottom w0.25: SW13.2 80.51,40.48 79.01,40.48 77.83,41.66 77.83,47.97 SW13.2 82.48,52.62 84.9,52.62 SW13.2 ; 83.83,39.18 SW13.2
Net-(D15-Pad2): length 24.8
  Top w0.25: v1(102.18,25.75) 105.87,25.75 D15.2
  Bottom w0.25: v1(102.18,25.75) 100.39,25.75 100.11,26.03 84.57,26.03 83.32,24.78
Net-(D16-Pad2): length 64.4
  Top w0.25: v1(100.41,23.72) 101.68,23.72 104.09,21.31 D16.2
  Bottom w0.25: SW19.2 71.6,4.73 SW19.2 69.29,7.03 SW19.2 68.7,6.45 66.12,6.45 65.61,6.95 65.61,13.52 SW19.2 70.25,18.16 72.67,18.16 SW19.2 76.1,19.65 82.52,19.65 88.44,25.58 99.92,25.58 100.2,25.3 100.2,23.92 v1(100.41,23.72)
Net-(D17-Pad2): length 35.8
  Top w0.25: v1(141.81,54.45) 141.68,54.33 D17.2
  Bottom w0.25: SW17.2 141.93,57.12 145.87,53.18 148.92,53.18 149.92,54.18 SW17.2 150.03,56.23 152.25,56.23 SW17.2 ; SW17.2 141.81,60.72 141.81,63.61 143.81,65.61 SW17.2 ; SW17.2 141.93,54.58 v1(141.81,54.45)
Net-(D18-Pad2): length 40.7
  Top w0.25: v1(140.79,49.37) 140.92,49.37 D18.2
  Bottom w0.25: SW18.2 147.52,43.66 141.81,49.37 v1(140.79,49.37) ; SW18.2 150.56,41.64 155.82,36.38 157.35,36.38 158.54,37.57 SW18.2 158.97,39.61 SW18.2 161.19,39.61 SW18.2 ; SW18.2 149.63,44.59 149.63,45.87 152.44,48.68 SW18.2
Net-(D19-Pad2): length 25.5
  Top w0.25: SW16.S1 151.76,34.08 151.69,34.08 151.69,36.19 145.49,42.39 D19.2
Net-(D20-Pad2): length 100.3
  Top w0.25: D20.2 147.02,36.55 v1(148.41,37.94)
  Bottom w0.25: v1(148.41,37.94) 135.2,37.94 129.05,31.79 129.05,25.68 135.64,19.09 145.07,19.09 147.33,16.83 152.25,16.83 154.86,14.22 SW20.2 163.56,14.22 161.85,12.52 161.85,10.14 SW20.2 162.78,5.54 166.4,1.92 169.58,1.92 170.77,3.11 SW20.2 172.98,4.73 SW20.2 175.29,7.04 SW20.2
Net-(D21-Pad2): length 63.3
  Top w0.25: v1(134.95,48.86) 135.58,48.23 D21.2
  Bottom w0.25: SW21.2 156.91,80.7 155.96,79.75 155.96,75.77 SW21.2 156.05,74.28 160.58,69.75 162.58,69.75 SW21.2 164.04,68.46 162.25,66.67 162.25,65.14 157.4,60.3 157.4,59.3 152.3,54.2 150.57,54.2 147.78,51.4 137.49,51.4 v1(134.95,48.86)
Net-(D22-Pad2): length 52.6
  Top w0.25: D22.2 139.78,43.07 144.3,47.59 v1(146.63,47.59)
  Bottom w0.25: SW22.2 171.21,52.82 169.28,52.82 164.67,57.43 SW22.2 ; v1(146.63,47.59) 151.53,52.49 154.96,52.49 158.77,56.3 158.77,58.41 159.12,58.75 SW22.2 ; SW22.2 165.54,63.77 163.94,62.17 163.94,59.49 SW22.2
Net-(D23-Pad2): length 63.5
  Top w0.25: v1(147.4,31.85) 147.4,32.4 143.25,36.55 D23.2
  Bottom w0.25: v1(147.4,31.85) 149.76,34.21 178.15,34.21 SW23.2 179.84,35.89 177.83,35.89 173.3,40.42 SW23.2 172.37,42.76 172.37,45.05 174.17,46.84 SW23.2
Net-(D24-Pad2): length 65.3
  Top w0.25: v1(152.44,22.83) 152.35,22.83 144.22,30.96 D24.2
  Bottom w0.25: 179.88,27.08 179.21,27.08 176.63,24.5 176.63,23 177.56,22.07 ; 177.56,22.07 177.56,18.96 181.74,14.78 184.89,14.78 185.54,15.43 185.54,17.59 187.76,17.59 190.06,19.89 190.07,19.89 ; 177.56,22.07 153.11,22.07 152.44,22.74 v1(152.44,22.83)
Net-(D25-Pad2): length 88
  Top w0.25: D25.2 135.08,43.02 v1(133.68,43.02)
  Bottom w0.25: v1(133.68,43.02) 133.68,45.82 138.51,50.64 142.32,50.64 143.08,49.88 146.89,49.88 150.4,53.39 152.68,53.39 157.85,58.55 157.85,60.11 162.69,64.96 162.69,65.47 167.46,70.24 168.6,70.24 179.17,80.81 SW25.2 177.72,82.34 175.9,82.34 171.19,87.05 SW25.2 171.1,88.36 171.1,91.32 173.06,93.28 SW25.2
Net-(D26-Pad2): length 86.7
  Top w0.25: D26.2 137.49,37.43 145.87,45.82 v1(147.14,45.82)
  Bottom w0.25: SW26.2 180.68,76.36 179.72,75.4 179.72,71.43 SW26.2 179.81,69.94 184.34,65.41 186.35,65.41 SW26.2 186.27,65.33 186.27,63.66 174.66,52.05 167.83,52.05 163.65,56.23 160.6,56.23 156.42,52.04 153.11,52.04 147.14,46.07 v1(147.14,45.82)
Net-(D27-Pad2): length 90.9
  Top w0.25: v1(139.78,28.8) 139.78,30.7 D27.2
  Bottom w0.25: SW27.2 190.32,59.43 188.35,57.46 188.35,54.5 SW27.2 188.44,53.01 192.97,48.48 194.97,48.48 SW27.2 192.69,46.2 192.69,42.33 184.12,33.76 152.47,33.76 148.77,30.07 141.05,30.07 v1(139.78,28.8) ; SW27.2 200.62,52.21 SW27.2
Net-(D28-Pad2): length 106
  Top w0.25: v1(145.36,25.75) 144.98,25.37 D28.2
  Bottom w0.25: SW28.2 210.29,62.83 208.65,60.88 209.23,54.27 211.73,51.78 215.24,51.78 SW28.2 213.08,49.61 208.13,49.18 207.85,48.84 204.21,48.84 202.6,46.91 200.78,46.91 200.44,46.58 198.05,46.58 184.79,33.31 152.93,33.31 v1(145.36,25.75) ; 219.78,53.25 SW28.2
Net-(D29-Pad2): length 120.2
  Top w0.25: v1(135.2,40.74) 135.2,38.32 D29.2
  Bottom w0.25: SW29.2 206.27,90.07 SW29.2 ; SW29.2 196.01,98.18 194.66,96.83 SW29.2 194.66,91.11 198.76,87.01 201.01,87.01 SW29.2 200.08,86.09 187.92,86.09 171.62,69.79 167.65,69.79 163.14,65.28 163.14,64.77 158.32,59.95 158.32,56.48 154.77,52.94 151.34,52.94 146.76,48.36 143.46,48.36 141.62,50.19 139.27,50.19 135.2,46.13 v1(135.2,40.74)
Net-(D30-Pad2): length 119.3
  Top w0.25: D30.2 134.31,30.96 v1(133.17,32.1)
  Bottom w0.25: v1(133.17,32.1) 144.73,32.1 148.73,36.11 152.03,36.11 153.03,35.11 157.64,35.11 160.42,37.88 163.97,37.88 166.13,40.04 166.13,48.67 169.05,51.6 175.03,51.6 176.08,52.65 177.47,52.65 188.35,63.53 192,63.53 195.8,67.33 206.06,67.33 SW30.2 208.12,69.4 205.97,69.4 201.78,73.59 SW30.2 201.78,79.21 203.13,80.56 SW30.2
Net-(D31-Pad2): length 149.4
  Top w0.25: D31.2 135.08,25.37 v1(134.7,25.75)
  Bottom w0.25: SW31.2 221.65,96.56 219.67,94.19 SW31.2 219.83,88.43 222.91,85.36 225.84,85.36 SW31.2 219.51,79.02 219.51,70.68 215.47,66.64 195.76,66.64 192.19,63.08 188.53,63.08 177.66,52.2 176.27,52.2 175.21,51.15 169.24,51.15 166.95,48.86 166.95,40.23 164.16,37.43 160.6,37.43 157.83,34.66 152.84,34.66 151.84,35.66 148.92,35.66 143.78,30.52 139.46,30.52 v1(134.7,25.75)
Net-(D32-Pad2): length 134.8
  Top w0.25: D32.2 140.92,19.78 v1(141.81,20.67)
  Bottom w0.25: SW32.2 226.9,78.34 224.76,76.2 SW32.2 224.76,69.26 227.19,66.83 230.59,66.83 SW32.2 224.97,59.93 225.26,56.66 220.76,51.31 216.78,50.96 215.44,49.37 208.36,48.75 205.07,44.83 199.45,44.83 196.52,41.91 194.02,41.91 184.97,32.86 157.7,32.86 149.66,24.83 145.19,24.83 141.81,21.45 v1(141.81,20.67)

## Copper pours and planes (outline as drawn; the poured copper is in the pictures)
gnd on Top, Bottom: 250.69,118.64 251.96,-10.65 -6.06,-10.45 -7.07,120.11
